# Altium PCB relay_matrix.PcbDoc (part 9 of 9) (continued)
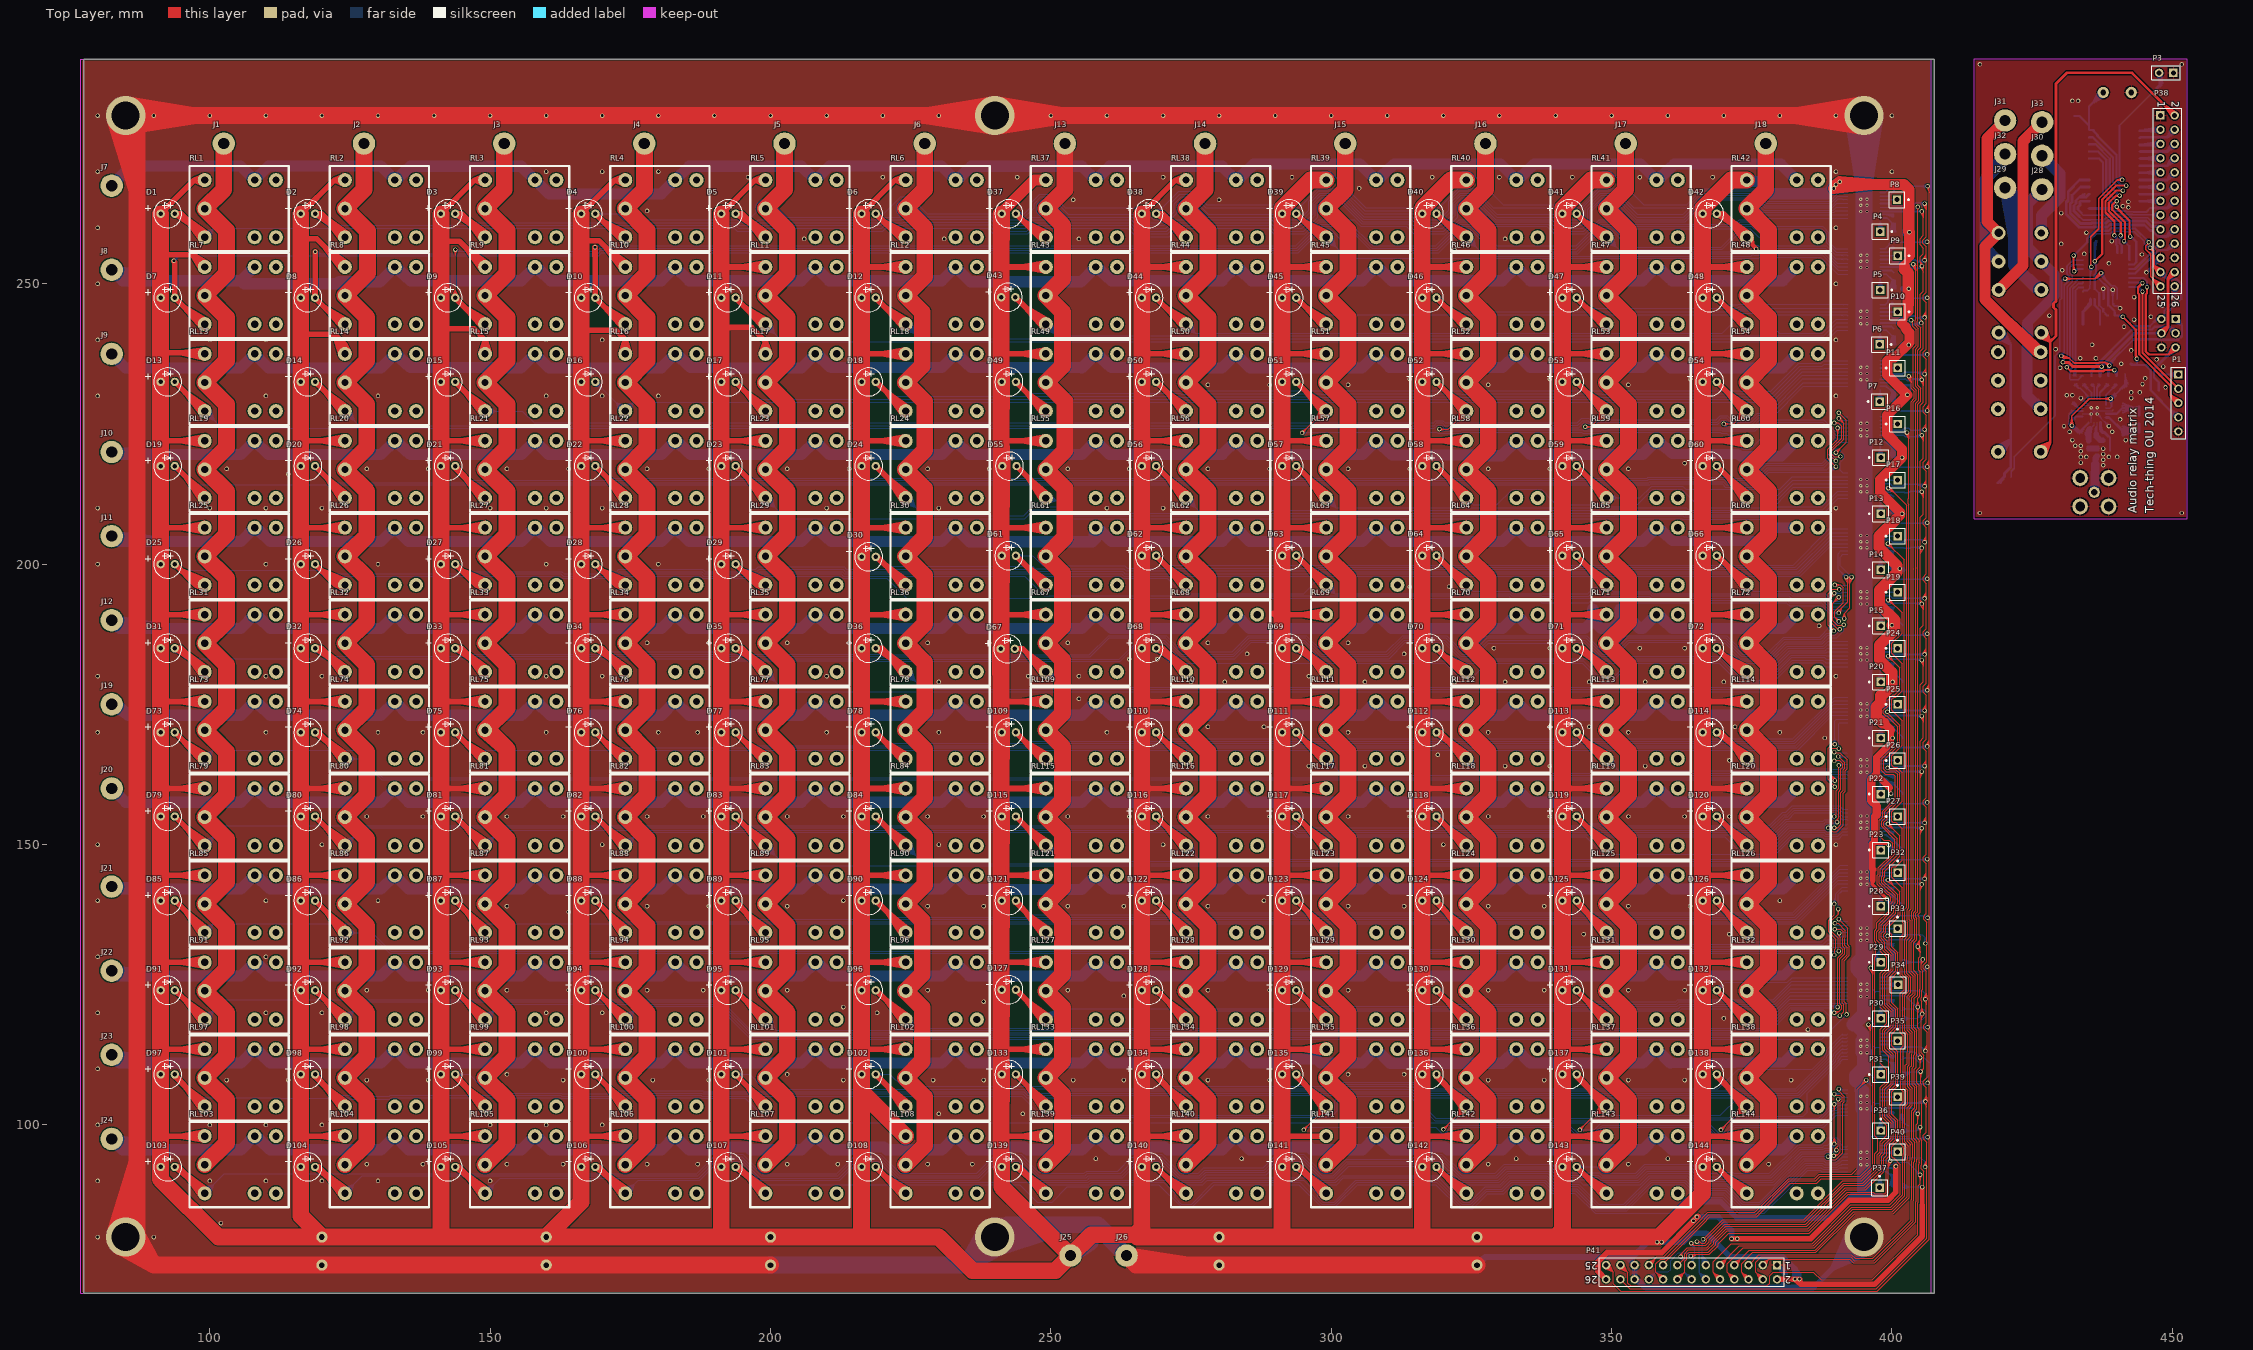
[diagram p0: Top Layer view]
## Nets (pads, with @x,y where several pads share a name; then routed paths per layer and width w, separated by ;. In a path a pad name is that pad's centre, name@x,y a point inside that pad or via, vN(x,y) a via of type N, cw(c..) or ccw(c..) an arc to the next point about the centre after c; other vN are vias at no path point) (continued)
SIN: P41.24 U1.15 U2.15 U3.15 U4.15 U5.15 U6.15 U7.15 U8.15 U9.15 U12.15 U14.15 U15.15 U16.15 U17.15 U18.15 U19.15 U20.15 U21.15 | length 542
  Top Layer w0.2: P41.24@351.56,72.46 353.27,70.75 397.181,70.75 406.2,79.769 406.2,96.866 405.65,97.416 405.65,97.565 405.55,97.665 405.55,98.111 406.1,98.661 406.1,106.639 405.65,107.089 405.65,107.365 405.55,107.465 405.55,107.811 406.25,108.511 406.25,112.85 ; v1@405.522,264.184 406.1,263.189 ; v1@405.524,144.019 406.1,144.974 ; v1@405.524,154.019 406.1,154.975 ; v1@405.524,164.119 406.1,165.074 ; v1@405.524,174.019 406.1,174.975 ; v1@405.524,184.018 406.1,184.976 ; v1@405.524,194.019 406.1,194.974 ; v1@405.524,204.019 406.1,204.974 ; v1@405.524,214.019 406.1,214.974 ; v1@405.524,224.119 406.1,225.073 ; v1@405.524,234.019 406.1,234.974 ; v1@405.524,244.118 406.1,245.074 ; v1@405.524,254.319 406.1,255.271 ; v1@405.624,92.618 406.2,93.584 ; v1@405.663,104.114 406.1,103.176 ; v1@405.663,104.286 406.1,105.219 ; v1@405.662,122.485 406.1,123.437 ; v1@405.663,122.313 406.1,121.384 ; v1@405.674,113.318 406.25,114.279 ; v1(405.799,143.9) 406.1,144.974 ; v1(405.799,153.9) 406.1,154.975 ; v1(405.799,164) 406.1,165.074 ; v1(405.799,173.9) 406.1,174.975 ; v1(405.799,183.9) 406.1,184.976 ; v1(405.799,193.9) 406.1,194.974 ; v1(405.799,203.9) 406.1,204.974 ; v1(405.799,213.9) 406.1,214.974 ; v1(405.9,92.5) 406.2,93.584 ; v1(405.95,113.2) 405.9,113.2 406.25,112.85 ; v1(405.95,113.2) 406.25,114.279 ; v1@406.096,143.858 406.1,144.974 ; v1@406.096,153.858 406.1,154.975 ; v1@406.096,163.958 406.1,165.074 ; v1@406.096,173.858 406.1,174.975 ; v1@406.096,183.858 406.1,184.976 ; v1@406.096,193.858 406.1,194.974 ; v1@406.096,203.858 406.1,204.974 ; v1@406.096,213.858 406.1,214.974 ; v1@406.096,223.958 406.1,225.073 ; v1@406.096,233.858 406.1,234.974 ; v1@406.096,243.958 406.1,245.074 ; v1@406.096,254.158 406.1,255.271 ; v1@406.097,264.339 406.1,263.189 ; 406.1,244.3 406.1,246.638 405.549,247.189 405.549,247.949 406.1,248.5 v1@406.1,254.2 ; v1@406.197,92.459 406.2,93.584 ; v1@406.247,113.159 406.25,114.279 ; v1(405.799,224) 406.1,225.073 ; v1(405.799,224) 406.1,224.3 406.1,226.538 405.549,227.089 405.549,228.112 406.1,228.662 406.1,233.599 v1(405.799,233.9) ; v1(405.799,224) 406.1,223.699 406.1,218.7 405.549,218.15 405.549,217.089 406.1,216.538 406.1,208.261 405.55,207.711 405.55,207.447 405.549,207.089 406.1,206.538 406.1,198.261 405.549,197.71 405.549,197.089 406.1,196.538 406.1,188.461 405.549,187.91 405.549,187.289 406.1,186.738 406.1,178.8 405.549,178.25 405.549,177.189 406.1,176.638 406.1,168.8 405.549,168.25 405.549,167.189 406.1,166.638 406.1,158.361 405.549,157.81 405.549,157.189 406.1,156.638 406.1,148.261 405.549,147.71 405.549,147.089 406.1,146.538 406.1,137.65 406.09,137.64 406.06,137.64 405.65,137.23 405.65,136.65 406.2,136.1 406.2,129.091 405.599,128.49 405.599,127.91 406.1,127.409 v1@406.1,122.56 ; v1(405.799,233.9) 406.1,234.974 ; v1(405.799,233.9) 406.1,234.2 406.1,236.538 405.549,237.089 405.549,237.777 406.1,238.328 406.1,243.699 v1(405.799,244) 406.1,245.074 ; v1(405.95,122.4) 406.1,123.437 ; v1(405.95,122.4) 406.1,121.384 ; v1(405.95,122.4) 405.939,122.4 405.9,122.36 v1@406.1,122.56 ; 406.1,103.176 v1(405.95,104.2) 406.1,105.219 ; 406.1,103.176 406.25,104.2 406.1,105.219 ; 406.1,121.384 406.25,122.4 406.1,123.437 ; v1@406.1,122.56 406.1,118.191 405.65,117.741 405.65,117.365 405.65,117.116 406.25,116.516 406.25,112.85 ; v1@406.1,254.2 405.8,254.2 406.1,255.271 ; v1@406.1,254.2 406.1,256.588 405.499,257.189 405.499,257.81 406.1,258.411 406.1,264.199 405.999,264.299 v1(405.799,264.299) 406.1,263.189
  Bottom Layer w0.2: U21.15@397.9,94.325 399.951,94.325 400.126,94.15 405.15,94.15 405.9,93.4 ; U21.15@398.725,94.325 399.5,94.325 ; 403.6,113.9 405.2,113.9 ; 404.3,123.9 405.4,123.9 405.9,123.4 ; 405.1,133.9 405.4,133.9 405.95,133.35 ; v1@405.604,92.55 405.9,93.4 ; v1@405.652,122.43 405.9,123.4 ; v1@405.653,132.395 405.95,133.35 ; v1@405.715,113.013 405.2,113.9 ; v1(405.9,92.5) 405.9,93.4 ; v1(405.95,132.35) 405.95,133.35 ; v1@406.12,113.447 405.2,113.9 ; v1@406.196,92.55 405.9,93.4 ; v1@406.244,122.459 405.9,123.4 ; v1@406.247,132.395 405.95,133.35 ; 405.2,113.9 v1(405.95,113.2) 405.9,113.2 405.2,113.9 ; 405.9,123.4 v1(405.95,122.4) 405.939,122.4 405.9,122.36 405.9,123.4
  Bottom Layer w0.3: U20.15@397.9,104.325 399.68,104.325 ; U19.15@397.9,114.325 399.68,114.325 ; U18.15@397.9,124.325 399.68,124.325 ; U17.15@397.9,134.325 398.025,134.45 399.555,134.45 400.105,133.9 405.1,133.9 ; U16.15@397.9,144.325 398,144.425 399.58,144.425 400.019,143.986 400.105,143.9 405.799,143.9 404.499,143.9 ; U15.15@397.9,154.325 398,154.425 399.58,154.425 400.019,153.986 400.105,153.9 405.799,153.9 404.499,153.9 ; U14.15@397.9,164.325 398,164.425 399.58,164.425 400.105,163.9 401.895,163.9 401.995,164 v1(405.799,164) 404.499,164 ; U12.15@397.9,174.325 398,174.425 399.58,174.425 400.105,173.9 405.799,173.9 404.499,173.9 ; U9.15@397.9,184.325 397.922,184.347 399.658,184.347 399.9,184.105 400.105,183.9 405.799,183.9 404.499,183.9 ; U8.15@397.9,194.325 397.922,194.347 399.658,194.347 399.9,194.105 400.105,193.9 405.799,193.9 404.499,193.9 ; U7.15@397.9,204.325 397.985,204.41 399.595,204.41 399.9,204.105 400.105,203.9 401.939,203.9 402.389,204.35 405.349,204.35 ; U6.15@397.9,214.325 399.68,214.325 ; U5.15@397.9,224.325 399.68,224.325 ; U4.15@397.9,234.325 399.68,234.325 ; U3.15@397.9,244.325 399.68,244.325 ; U2.15@397.9,254.325 399.68,254.325 ; U1.15@397.9,264.325 399.575,264.325 ; U20.15@398.725,104.325 399.68,104.325 ; U19.15@398.725,114.325 399.68,114.325 ; U18.15@398.725,124.325 399.68,124.325 ; U6.15@398.725,214.325 399.68,214.325 ; U5.15@398.725,224.325 399.68,224.325 ; U4.15@398.725,234.325 399.68,234.325 ; U3.15@398.725,244.325 399.68,244.325 ; U2.15@398.725,254.325 399.68,254.325 ; U1.15@398.725,264.325 399.575,264.325 ; 403.6,113.9 400.105,113.9 399.68,114.325 ; 404.3,123.9 401.895,123.9 400.105,123.9 399.68,124.325 ; v1@405.591,203.761 405.349,204.35 ; 405.65,263.9 405.459,263.9 404.91,264.449 ; v1@405.717,254.436 404.561,253.9 ; v1@405.724,264.061 404.91,264.449 ; v1@405.726,213.661 404.235,214.25 ; v1@405.726,233.661 404.235,234.25 ; v1@405.756,224.246 404.493,223.9 ; v1@405.756,244.246 404.494,243.9 ; v1@405.775,143.651 404.499,143.9 ; v1@405.775,144.149 404.499,143.9 ; v1@405.775,153.651 404.499,153.9 ; v1@405.775,154.149 404.499,153.9 ; v1@405.775,163.751 404.499,164 ; v1@405.775,164.249 404.499,164 ; v1@405.775,173.651 404.499,173.9 ; v1@405.775,174.148 404.499,173.9 ; v1@405.775,183.651 404.499,183.9 ; v1@405.775,184.148 404.499,183.9 ; v1@405.775,193.651 404.499,193.9 ; v1@405.775,194.148 404.499,193.9 ; v1@405.794,223.75 404.493,223.9 ; v1@405.794,243.75 404.494,243.9 ; v1(405.799,203.9) 405.349,204.35 ; v1(405.799,264.299) 404.91,264.449 ; v1@405.806,264.549 404.91,264.449 ; v1@405.834,253.952 404.561,253.9 ; v1@405.835,214.147 404.235,214.25 ; v1@405.835,234.147 404.235,234.25 ; v1@405.878,104.439 404.525,103.9 ; v1@405.938,204.108 405.349,204.35 ; v1@405.98,103.952 404.525,103.9 ; 399.575,264.325 400,263.9 403.739,263.9 404.289,264.449 404.91,264.449 ; 399.68,104.325 400.105,103.9 405.799,103.9 405.95,104.051 v1(405.95,104.2) 404.525,103.9 ; 399.68,214.325 399.9,214.105 400.105,213.9 401.895,213.9 402.245,214.25 405.449,214.25 v1(405.799,213.9) 404.235,214.25 ; 399.68,224.325 400.105,223.9 401.895,223.9 402.22,224.225 402.986,224.225 403.311,223.9 406,223.9 405.9,224 v1(405.799,224) 404.493,223.9 ; 399.68,234.325 400.105,233.9 401.895,233.9 402.245,234.25 405.449,234.25 v1(405.799,233.9) 404.235,234.25 ; 399.68,244.325 400.105,243.9 401.895,243.9 402.244,244.25 404.061,244.25 404.411,243.9 405.9,243.9 405.8,244 v1(405.799,244) 404.494,243.9 ; 399.68,254.325 400.105,253.9 403.139,253.9 403.489,254.249 404.211,254.249 404.561,253.9 ; 404.561,253.9 v1(405.799,254.199) 405.799,253.999 405.7,253.9 404.561,253.9
SWITCH: C35.1 P3.2 U10.9 | length 90.6
  Top Layer w0.3: v1(435.575,253.024) 435.425,253.174 435.425,258.374 436.875,259.824 436.875,265.224 440.175,268.524 ; v1@441.041,268.276 440.175,268.524 ; v1@441.041,268.772 440.175,268.524 ; v1(441.075,268.524) 440.175,268.524
  Bottom Layer w0.3: U10.9@434.05,248.624 434.225,248.799 434.909,248.799 435.275,249.165 435.275,249.724 435.375,249.824 435.375,252.824 v1(435.575,253.024) 435.375,251.658 ; v1@435.326,253.038 435.375,251.658 ; v1@435.819,252.966 435.375,251.658 ; v1@440.87,268.381 440.575,269.024 ; v1(441.075,268.524) 440.575,269.024 ; v1@441.218,268.729 440.575,269.024 ; P3.2@447.076,287.406 C35.1@447.975,285.922 ; P3.2@447.347,287.54 C35.1@447.975,285.922 ; C35.1@447.726,285.658 P3.2@447.766,286.971 ; C35.1@447.726,285.693 P3.2@447.95,286.974 ; C35.1@447.727,285.698 P3.2@447.975,286.974 ; C35.1@447.731,285.622 P3.2@447.573,286.958 ; C35.1@447.731,285.728 448.135,286.973 ; C35.1@447.742,285.585 P3.2@447.368,286.926 ; C35.1@447.788,285.739 446.939,284.588 ; P3.2@447.934,287.657 C35.1@447.975,285.922 ; C35.1@447.975,285.574 446.939,284.588 ; C35.1@448.131,285.379 446.939,284.588 ; C35.1@448.19,285.803 P3.2@447.368,286.926 ; C35.1@448.206,285.771 P3.2@447.573,286.958 ; C35.1@448.217,285.737 P3.2@447.766,286.971 ; C35.1@448.224,285.703 P3.2@447.95,286.974 ; C35.1@448.225,285.667 448.135,286.973 ; C35.1@448.224,285.698 P3.2@447.975,286.974 ; P3.2@448.235,287.638 C35.1@447.975,285.922 ; 440.575,269.024 440.575,278.224 C35.1@447.975,285.624 447.975,287.284 P3.2@447.635,287.624 C35.1@447.975,285.922 ; P3.2@447.368,286.926 C35.1@447.975,285.674 ; P3.2@447.573,286.958 C35.1@447.975,285.674 ; P3.2@447.766,286.971 C35.1@447.975,285.674 ; P3.2@447.95,286.974 C35.1@447.975,285.674 ; C35.1@447.975,285.674 448.135,286.973 ; C35.1@447.975,285.674 P3.2@447.975,286.974
TX: P1.2 U10.31 | length 25.3
  Top Layer w0.4: 444.675,247.024 v1(444.675,248.624) 444.675,237.684 P1.2@451.075,231.284
  Bottom Layer w0.4: U10.31@442.3,249.424 443.875,249.424 ; U10.31@442.9,249.424 443.875,249.424 ; v1(444.675,248.624) 443.875,249.424
VCC: C16.1 C17.1 C18.1 C28.1 C29.1 C32.1 P1.4 P2.2 P38.26 R171.2 U10.4 U10.6 U10.18 U13.3 U22.24 | length 164.2
  Top Layer w0.4: v1(436.175,254.024) 437.475,255.324 437.475,265.024 439.974,267.523 v1(441.776,267.523) ; 442.424,242.875 v1(441.175,244.124) 443.475,241.824 443.475,237.187 ; 443.475,237.187 v1(443.675,236.624) ; 443.475,237.187 v1(443.675,236.624) ; 443.475,237.187 443.675,236.987 v1(443.675,236.624)
  Bottom Layer w0.4: C29.1@432.475,279.924 433.375,279.924 ; C29.1@432.525,279.924 433.375,279.924 ; U22.24@435.975,277.409 436.675,276.429 ; U10.18@436.175,254.949 v1(436.175,254.024) ; U10.18@436.175,255.845 436.475,257.574 436.175,256.149 C18.1@436.175,257.324 ; C18.1@436.475,257.624 C18.1@436.175,257.324 ; U10.6@436.975,246.699 436.975,246.172 ; C28.1@437.03,284.596 435.827,282.275 ; C28.1@437.372,284.384 435.827,282.275 ; C28.1@437.675,284.124 435.125,281.574 435.125,278.174 ; C28.1@437.936,283.82 435.827,282.275 ; C28.1@438.148,283.478 435.827,282.275 ; C17.1@438.425,244.324 437.675,245.124 ; C17.1@438.475,244.324 437.675,245.124 ; U10.4@438.575,246.699 438.575,246.124 ; U10.4@438.575,247.899 438.575,249.355 ; C16.1@439.825,244.324 439.675,245.124 ; 442.424,242.875 v1(441.175,244.124) ; C32.1@445.125,235.524 443.675,235.524 ; C32.1@445.225,235.524 446.125,234.59 ; 446.454,230.73 R171.2@447.475,229.474 ; R171.2@447.675,229.474 448.774,228.275 ; P38.26@449.871,249.466 450.415,247.594 ; P1.4@450.667,225.835 449.38,227.67 ; P38.26@450.96,249.466 450.415,247.594 ; P1.4@451.381,226.661 449.38,227.67 ; 433.375,279.924 435.125,278.174 ; 435.125,278.174 U22.24@435.125,277.409 435.695,277.409 436.675,276.429 ; 436.175,251.624 437.875,249.924 438.007,249.924 438.575,249.355 ; 436.175,251.624 436.375,251.824 436.375,253.355 ; 436.175,251.624 436.175,249.124 436.975,248.324 ; 436.175,253.555 v1(436.175,254.024) ; 436.175,253.555 v1(436.175,254.024) ; 436.175,253.555 v1(436.175,254.024) ; 436.175,253.555 436.375,253.355 ; v1(436.175,254.024) 436.375,253.355 ; v1(436.175,254.024) U10.18@436.175,255.549 C18.1@436.175,257.324 ; 436.675,276.429 436.675,276.324 440.025,272.974 440.025,268.443 440.794,267.674 ; 436.975,246.172 437.675,245.473 437.675,245.124 ; 436.975,246.172 U10.6@436.975,247.299 436.975,248.324 ; 436.975,248.324 436.975,247.899 436.975,248.324 ; 438.575,246.124 U10.4@438.575,247.299 438.575,249.355 ; 438.575,246.124 438.675,246.124 439.675,245.124 ; 439.675,245.124 439.675,244.524 C16.1@439.875,244.324 ; C16.1@439.875,244.324 v1(441.175,244.124) ; C16.1@439.875,244.324 v1@440.975,244.324 ; 440.794,267.674 v1(441.776,267.523) 441.625,267.674 440.794,267.674 ; v1@440.975,244.324 439.925,244.324 v1(441.175,244.124) ; v1@440.975,244.324 v1(441.175,244.124) ; v1(441.175,244.124) 442.865,242.434 445.985,242.434 447.275,243.724 ; 443.675,235.524 v1(443.675,236.624) 443.675,235.524 ; 443.675,235.524 U13.3@442.575,235.724 442.775,235.524 443.675,235.524 ; 443.675,235.524 C32.1@445.175,235.524 445.191,235.524 446.125,234.59 ; 446.125,234.59 446.125,231.058 447.575,229.608 R171.2@447.575,229.474 450.845,226.204 P1.4@451.075,226.204 449.38,227.67 ; 447.275,243.724 P2.2@448.035,243.724 ; 447.275,243.724 447.836,244.237 447.275,243.724 ; 447.275,243.724 447.836,243.211 447.275,243.724 ; 447.275,243.724 P2.2@448.035,243.724 ; P2.2@448.035,243.724 448.575,244.264 448.575,245.173 450.415,247.013 P38.26@450.415,249.544 450.415,247.594
VMS: J31.1 RL145.8 RL146.7 | length 61.2
  Top Layer w2: 420.762,243.037 RL146.7@426.525,237.824 425.975,237.824 416.568,247.231 416.568,256.623 RL145.8@419.018,259.073 416.975,261.116 416.975,275.924 ; 416.975,275.924 J31.1@420.175,279.124 416.975,275.924
Y0: P38.3 U22.1 | length 20
  Bottom Layer w0.5: U22.1@444.225,277.309 447.7,277.309 P38.3@447.875,277.484 445.609,277.309 ; 446.872,277.127 U22.1@445.075,277.409 ; 446.877,277.309 U22.1@445.075,277.409 ; 447.025,277.743 U22.1@445.075,277.409 ; P38.3@447.288,277.439 U22.1@445.075,277.409 ; P38.3@447.782,277.975 445.609,277.309 ; P38.3@447.859,276.984 445.609,277.309 ; U22.1@445.075,277.409 445.609,277.309 ; U22.1@445.075,277.409 445.609,277.309 ; U22.1@445.075,277.409 445.609,277.309
Y1: P38.4 U22.2 | length 14.3
  Bottom Layer w0.5: U22.2@444.225,276.039 444.33,276.144 449.075,276.144 ; U22.2@445.075,276.139 446.875,276.144 ; P38.4@450.018,277.788 449.075,276.144 ; P38.4@450.719,277.087 449.075,276.144 ; 449.075,276.144 P38.4@450.415,277.484 449.075,276.144
Y2: P38.5 U22.3 | length 20
  Bottom Layer w0.5: U22.3@444.225,274.769 447.7,274.769 P38.5@447.875,274.944 445.609,274.769 ; 446.872,274.587 U22.3@445.075,274.869 ; 446.877,274.769 U22.3@445.075,274.869 ; 447.025,275.203 U22.3@445.075,274.869 ; P38.5@447.288,274.899 U22.3@445.075,274.869 ; P38.5@447.782,275.435 445.609,274.769 ; P38.5@447.859,274.444 445.609,274.769 ; U22.3@445.075,274.869 445.609,274.769 ; U22.3@445.075,274.869 445.609,274.769 ; U22.3@445.075,274.869 445.609,274.769
Y3: P38.6 U22.4 | length 14.2
  Bottom Layer w0.5: U22.4@444.225,273.599 444.23,273.604 449.075,273.604 ; U22.4@445.075,273.599 446.875,273.604 ; P38.6@450.018,275.248 449.075,273.604 ; P38.6@450.719,274.547 449.075,273.604 ; 449.075,273.604 P38.6@450.415,274.944 449.075,273.604
Y4: P38.7 U22.5 | length 19.4
  Bottom Layer w0.5: U22.5@444.225,272.329 447.8,272.329 P38.7@447.875,272.404 445.623,272.329 ; 446.875,272.329 U22.5@445.075,272.329 ; 446.877,272.371 U22.5@445.075,272.329 ; 446.913,272.082 U22.5@445.075,272.329 ; 446.937,272.672 U22.5@445.075,272.329 ; P38.7@447.804,272.899 445.623,272.329 ; P38.7@447.837,271.905 445.623,272.329 ; U22.5@445.075,272.329 445.623,272.329 ; U22.5@445.075,272.329 445.623,272.329 ; U22.5@445.075,272.329 445.623,272.329
Y5: P38.8 U22.6 | length 14.2
  Bottom Layer w0.5: U22.6@444.225,271.059 444.23,271.064 449.075,271.064 ; U22.6@445.075,271.059 446.875,271.064 ; P38.8@450.018,272.708 449.075,271.064 ; P38.8@450.719,272.007 449.075,271.064 ; 449.075,271.064 P38.8@450.415,272.404 449.075,271.064
Y6: P38.9 U22.7 | length 19.4
  Bottom Layer w0.5: U22.7@444.225,269.789 447.8,269.789 P38.9@447.875,269.864 445.623,269.789 ; 446.875,269.789 U22.7@445.075,269.789 ; 446.877,269.831 U22.7@445.075,269.789 ; 446.913,269.542 U22.7@445.075,269.789 ; 446.937,270.132 U22.7@445.075,269.789 ; P38.9@447.804,270.359 445.623,269.789 ; P38.9@447.837,269.365 445.623,269.789 ; U22.7@445.075,269.789 445.623,269.789 ; U22.7@445.075,269.789 445.623,269.789 ; U22.7@445.075,269.789 445.623,269.789
Y7: P38.10 U22.8 | length 14.2
  Bottom Layer w0.5: U22.8@444.225,268.519 444.23,268.524 449.075,268.524 ; U22.8@445.075,268.519 446.875,268.524 ; P38.10@450.018,270.168 449.075,268.524 ; P38.10@450.719,269.467 449.075,268.524 ; 449.075,268.524 P38.10@450.415,269.864 449.075,268.524
Y8: P38.11 U22.9 | length 19.4
  Bottom Layer w0.5: U22.9@444.225,267.249 447.8,267.249 P38.11@447.875,267.324 445.623,267.249 ; 446.875,267.249 U22.9@445.075,267.249 ; 446.877,267.291 U22.9@445.075,267.249 ; 446.913,267.002 U22.9@445.075,267.249 ; 446.937,267.592 U22.9@445.075,267.249 ; P38.11@447.804,267.819 445.623,267.249 ; P38.11@447.837,266.825 445.623,267.249 ; U22.9@445.075,267.249 445.623,267.249 ; U22.9@445.075,267.249 445.623,267.249 ; U22.9@445.075,267.249 445.623,267.249
Y9: P38.12 U22.10 | length 14.2
  Bottom Layer w0.5: U22.10@444.225,265.979 444.23,265.984 449.075,265.984 ; U22.10@445.075,265.979 446.875,265.984 ; P38.12@450.018,267.628 449.075,265.984 ; P38.12@450.719,266.927 449.075,265.984 ; 449.075,265.984 P38.12@450.415,267.324 449.075,265.984
Y10: P38.13 U22.11 | length 19.4
  Bottom Layer w0.5: U22.11@444.225,264.709 447.8,264.709 P38.13@447.875,264.784 445.623,264.709 ; 446.875,264.709 U22.11@445.075,264.709 ; 446.877,264.751 U22.11@445.075,264.709 ; 446.913,264.462 U22.11@445.075,264.709 ; 446.937,265.052 U22.11@445.075,264.709 ; P38.13@447.804,265.279 445.623,264.709 ; P38.13@447.837,264.285 445.623,264.709 ; U22.11@445.075,264.709 445.623,264.709 ; U22.11@445.075,264.709 445.623,264.709 ; U22.11@445.075,264.709 445.623,264.709
Y11: P38.14 U22.13 | length 23.5
  Bottom Layer w0.3: 438.96,263.439 439.3,263.439 439.765,262.974 441.765,262.974 441.865,262.874 443.021,262.874 443.106,262.789 445.345,262.789 446.08,263.524 446.975,263.524
  Bottom Layer w0.5: U22.13@435.125,263.439 438.96,263.439 ; U22.13@435.975,263.439 437.775,263.439 ; 446.975,263.524 449.155,263.524 ; P38.14@450.016,265.084 449.155,263.524 ; P38.14@450.716,264.384 449.155,263.524 ; 449.155,263.524 P38.14@450.415,264.784 449.155,263.524
Y12: P38.15 U22.14 | length 27.2
  Bottom Layer w0.3: 433.71,262.689 434.155,262.244 437.992,262.244 438.122,262.374 442.814,262.374 442.899,262.289 447.83,262.289 P38.15@447.875,262.244 446.224,262.289 ; P38.15@447.75,261.657 446.224,262.289 ; P38.15@447.783,262.837 446.224,262.289 ; P38.15@447.84,261.946 446.224,262.289 ; P38.15@447.856,262.543 446.224,262.289
  Bottom Layer w0.5: 433.71,262.689 433.175,263.224 433.175,263.678 433.525,264.028 433.525,264.574 433.66,264.709 ; U22.14@434.275,264.709 433.66,264.709 ; U22.14@435.125,264.709 433.66,264.709
Y13: P38.16 U22.15 | length 32.6
  Bottom Layer w0.3: 433.386,262.024 434.036,261.374 435.39,261.374 435.44,261.424 437.879,261.424 438.329,261.874 442.607,261.874 442.692,261.789 445.578,261.789 446.443,260.924 449.095,260.924
  Bottom Layer w0.5: 433.386,262.024 432.475,262.934 432.475,263.968 432.825,264.318 432.825,264.864 433.421,265.459 ; U22.15@434.275,265.979 433.421,265.459 ; P38.16@450.018,262.547 449.095,260.924 ; P38.16@450.719,261.846 449.095,260.924 ; 433.421,265.459 434.605,265.459 ; 434.605,265.459 U22.15@435.125,265.979 ; 434.605,265.459 U22.15@435.125,265.979 ; 434.605,265.459 U22.15@435.125,265.979 ; 449.095,260.924 P38.16@450.415,262.244 449.095,260.924
Y14: P38.17 U22.16 | length 25.3
  Bottom Layer w0.5: U22.16@434.275,267.249 433.6,267.249 ; U22.16@435.125,267.249 433.6,267.249 ; P38.17@447.875,259.704 447.355,260.224 446.295,260.224 445.33,261.189 442.444,261.189 442.359,261.274 438.578,261.274 438.128,260.824 435.688,260.824 435.638,260.774 433.646,260.774 431.775,262.644 431.775,264.258 432.125,264.608 432.125,265.774 433.6,267.249
Y15: P38.18 U22.17 | length 37.3
  Bottom Layer w0.5: U22.17@434.275,268.519 433.47,268.519 ; U22.17@435.125,268.519 433.47,268.519 ; P38.18@450.035,260.028 448.995,258.424 ; P38.18@450.699,259.292 448.995,258.424 ; 433.47,268.519 431.425,266.474 431.425,264.898 431.075,264.548 431.075,262.354 433.356,260.074 435.928,260.074 435.978,260.124 438.418,260.124 438.868,260.574 442.069,260.574 442.154,260.489 445.04,260.489 446.005,259.524 446.358,259.524 447.458,258.424 448.995,258.424 ; 448.995,258.424 P38.18@450.415,259.704 450.275,259.704 448.995,258.424
Y16: P38.19 U10.27 | length 8.5
  Bottom Layer w0.4: U10.27@442.3,252.624 443.353,252.624 ; P38.19@447.875,257.164 447.715,257.164 447.225,256.674 447.225,256.496 443.353,252.624 ; 443.353,252.624 442.9,252.624 443.353,252.624
Y17: P38.20 U10.28 | length 16.2
  Bottom Layer w0.4: U10.28@442.3,251.824 443.402,251.824 ; U10.28@442.9,251.824 443.402,251.824 ; P38.20@450.004,257.529 449.025,256.014 ; P38.20@450.697,256.692 449.025,256.014 ; 443.402,251.824 447.592,256.014 449.025,256.014 ; 449.025,256.014 P38.20@450.415,257.164 450.175,257.164 449.025,256.014
pads on no net: RL1.4 RL1.5 RL1.6 RL2.4 RL2.5 RL2.6 RL3.4 RL3.5 RL3.6 RL4.4 RL4.5 RL4.6 RL5.4 RL5.5 RL5.6 RL6.4 RL6.5 RL6.6 RL7.4 RL7.5 RL7.6 RL8.4 RL8.5 RL8.6 RL9.4 RL9.5 RL9.6 RL10.4 RL10.5 RL10.6 RL11.4 RL11.5 RL11.6 RL12.4 RL12.5 RL12.6 RL13.4 RL13.5 RL13.6 RL14.4 RL14.5 RL14.6 RL15.4 RL15.5 RL15.6 RL16.4 RL16.5 RL16.6 RL17.4 RL17.5 RL17.6 RL18.4 RL18.5 RL18.6 RL19.4 RL19.5 RL19.6 RL20.4 RL20.5 RL20.6 RL21.4 RL21.5 RL21.6 RL22.4 RL22.5 RL22.6 RL23.4 RL23.5 RL23.6 RL24.4 RL24.5 RL24.6 RL25.4 RL25.5 RL25.6 RL26.4 RL26.5 RL26.6 RL27.4 RL27.5 RL27.6 RL28.4 RL28.5 RL28.6 RL29.4 RL29.5 RL29.6 RL30.4 RL30.5 RL30.6 RL31.4 RL31.5 RL31.6 RL32.4 RL32.5 RL32.6 RL33.4 RL33.5 RL33.6 RL34.4 RL34.5 RL34.6 RL35.4 RL35.5 RL35.6 RL36.4 RL36.5 RL36.6 RL37.4 RL37.5 RL37.6 RL38.4 RL38.5 RL38.6 RL39.4 RL39.5 RL39.6 RL40.4 RL40.5 RL40.6 RL41.4 RL41.5 RL41.6 RL42.4 RL42.5 RL42.6 RL43.4 RL43.5 RL43.6 RL44.4 RL44.5 RL44.6 RL45.4 RL45.5 RL45.6 RL46.4 RL46.5 RL46.6 RL47.4 RL47.5 RL47.6 RL48.4 RL48.5 RL48.6 RL49.4 RL49.5 RL49.6 RL50.4 RL50.5 RL50.6 RL51.4 RL51.5 RL51.6 RL52.4 RL52.5 RL52.6 RL53.4 RL53.5 RL53.6 RL54.4 RL54.5 RL54.6 RL55.4 RL55.5 RL55.6 RL56.4 RL56.5 RL56.6 RL57.4 RL57.5 RL57.6 RL58.4 RL58.5 RL58.6 RL59.4 RL59.5 RL59.6 RL60.4 RL60.5 RL60.6 RL61.4 RL61.5 RL61.6 RL62.4 RL62.5 RL62.6 RL63.4 RL63.5 RL63.6 RL64.4 RL64.5 RL64.6 RL65.4 RL65.5 RL65.6 RL66.4 RL66.5 RL66.6 RL67.4 RL67.5 RL67.6 RL68.4 RL68.5 RL68.6 RL69.4 RL69.5 RL69.6 RL70.4 RL70.5 RL70.6 RL71.4 RL71.5 RL71.6 RL72.4 RL72.5 RL72.6 RL73.4 RL73.5 RL73.6 RL74.4 RL74.5 RL74.6 RL75.4 RL75.5 RL75.6 RL76.4 RL76.5 RL76.6 RL77.4 RL77.5 RL77.6 RL78.4 RL78.5 RL78.6 RL79.4 RL79.5 RL79.6 RL80.4 RL80.5 RL80.6 RL81.4 RL81.5 RL81.6 RL82.4 RL82.5 RL82.6 RL83.4 RL83.5 RL83.6 RL84.4 RL84.5 RL84.6 RL85.4 RL85.5 RL85.6 RL86.4 RL86.5 RL86.6 RL87.4 RL87.5 RL87.6 RL88.4 RL88.5 RL88.6 RL89.4 RL89.5 RL89.6 RL90.4 RL90.5 RL90.6 RL91.4 RL91.5 RL91.6 RL92.4 RL92.5 RL92.6 RL93.4 RL93.5 RL93.6 RL94.4 RL94.5 RL94.6 RL95.4 RL95.5 RL95.6 RL96.4 RL96.5 RL96.6 RL97.4 RL97.5 RL97.6 RL98.4 RL98.5 RL98.6 RL99.4 RL99.5 RL99.6 RL100.4 RL100.5 RL100.6 RL101.4 RL101.5 RL101.6 RL102.4 RL102.5 RL102.6 RL103.4 RL103.5 RL103.6 RL104.4 RL104.5 RL104.6 RL105.4 RL105.5 RL105.6 RL106.4 RL106.5 RL106.6 RL107.4 RL107.5 RL107.6 RL108.4 RL108.5 RL108.6 RL109.4 RL109.5 RL109.6 RL110.4 RL110.5 RL110.6 RL111.4 RL111.5 RL111.6 RL112.4 RL112.5 RL112.6 RL113.4 RL113.5 RL113.6 RL114.4 RL114.5 RL114.6 RL115.4 RL115.5 RL115.6 RL116.4 RL116.5 RL116.6 RL117.4 RL117.5 RL117.6 RL118.4 RL118.5 RL118.6 RL119.4 RL119.5 RL119.6 RL120.4 RL120.5 RL120.6 RL121.4 RL121.5 RL121.6 RL122.4 RL122.5 RL122.6 RL123.4 RL123.5 RL123.6 RL124.4 RL124.5 RL124.6 RL125.4 RL125.5 RL125.6 RL126.4 RL126.5 RL126.6 RL127.4 RL127.5 RL127.6 RL128.4 RL128.5 RL128.6 RL129.4 RL129.5 RL129.6 RL130.4 RL130.5 RL130.6 RL131.4 RL131.5 RL131.6 RL132.4 RL132.5 RL132.6 RL133.4 RL133.5 RL133.6 RL134.4 RL134.5 RL134.6 RL135.4 RL135.5 RL135.6 RL136.4 RL136.5 RL136.6 RL137.4 RL137.5 RL137.6 RL138.4 RL138.5 RL138.6 RL139.4 RL139.5 RL139.6 RL140.4 RL140.5 RL140.6 RL141.4 RL141.5 RL141.6 RL142.4 RL142.5 RL142.6 RL143.4 RL143.5 RL143.6 RL144.4 RL144.5 RL144.6 RL146.4 RL146.5 RL146.6 RL146.8 U1.1 U1.11 U2.1 U2.11 U3.1 U3.11 U4.1 U4.11 U5.1 U5.11 U6.1 U6.11 U7.1 U7.11 U8.1 U8.11 U9.1 U9.11 U10.13 U10.19 U10.20 U10.22 U10.32 U12.1 U12.11 U14.1 U14.11 U15.1 U15.11 U16.1 U16.11 U17.1 U17.11 U18.1 U18.11 U19.1 U19.11 U20.1 U20.11 U21.1 U21.11

## Polygon pours and split planes (outlines as drawn)
GND on Bottom Layer "Top Layer-GND" (solid, remove dead copper, pour order 5): 77,70 77,290 408,290 408,70
DGND on Bottom Layer "Bottom gnd" (solid, remove dead copper, pour order 8): 452.675,208.124 414.675,208.124 414.675,290.124 452.675,290.124
GND on Top Layer "Top Layer-No Net" (solid, remove dead copper, pour order 6): 77,70 77,290 408,290 408,70
DGND on Top Layer "Bottom gnd" (solid, remove dead copper, pour order 7): 452.675,208.124 414.675,208.124 414.675,287.124 414.675,290.124 451.675,290.124 452.675,290.124

## Keep-outs
Keep-Out Layer:
  lines w0.1: 77,70 77,290 407,290 407,70 77,70
  lines w0.2: 414.675,208.124 414.675,290.124 452.675,290.124 452.675,208.124 414.675,208.124

## Silkscreen, mask and mechanical layers (free items; w line width, h text height)
Top Overlay:
  text "Audio relay matrix" at 443.675,209.124 h1.5 r90
  text "Tech-thing OU 2014" at 446.675,209.124 h1.5 r90
Bottom Overlay:
  text "SWITCH" at 445.475,289.924 h1 r180
  text "VOCODER" at 430.875,284.924 h1 r90
  text "Audio relay matrix" at 336,284 h2
  text "VOICE" at 416.875,282.924 h1 r90
  text "SRC" at 421.875,282.924 h1
  text "DST" at 427.875,282.924 h1
  text "Tech-thing OU 2014" at 335.9,280.7 h2
  text "ROOM" at 416.875,275.924 h1 r90
  text "ROOM" at 430.875,275.924 h1 r90
  text "VOCODER" at 416.875,269.924 h1 r90
  text "HEADPHONES" at 430.875,269.924 h1 r90
  text "Tech-thing OÜ" at 425.475,227.224 h0 r180
  text "GND" at 328.8,77.9 h2
  text "+12V" at 317.7,77.6 h2
Mechanical 1:
  lines w0.1: 77,70 77,290 407,290 407,70 77,70
  lines w0.2: 414.675,208.124 452.675,208.124 452.675,290.124 414.675,290.124 414.675,208.124

## Text inside footprints (layer, text, board x,y; h text height)
P2: Bottom Overlay "6" at 448.543,237.12 h1.27 r90; Bottom Overlay "5" at 451.083,237.12 h1.27 r90; Bottom Overlay "1" at 451.083,245.756 h1.27 r90; Bottom Overlay "2" at 448.543,245.756 h1.27 r90
P38: Top Overlay "26" at 449.907,248.02 h1.27 r270; Top Overlay "25" at 447.367,248.02 h1.27 r270; Top Overlay "1" at 447.367,282.564 h1.27 r270; Top Overlay "2" at 449.907,282.564 h1.27 r270
P41: Top Overlay "2" at 382.04,72.968 h1.27 r180; Top Overlay "1" at 382.04,75.508 h1.27 r180; Top Overlay "25" at 347.496,75.508 h1.27 r180; Top Overlay "26" at 347.496,72.968 h1.27 r180